# KiCad board beyblock20.kicad_pcb
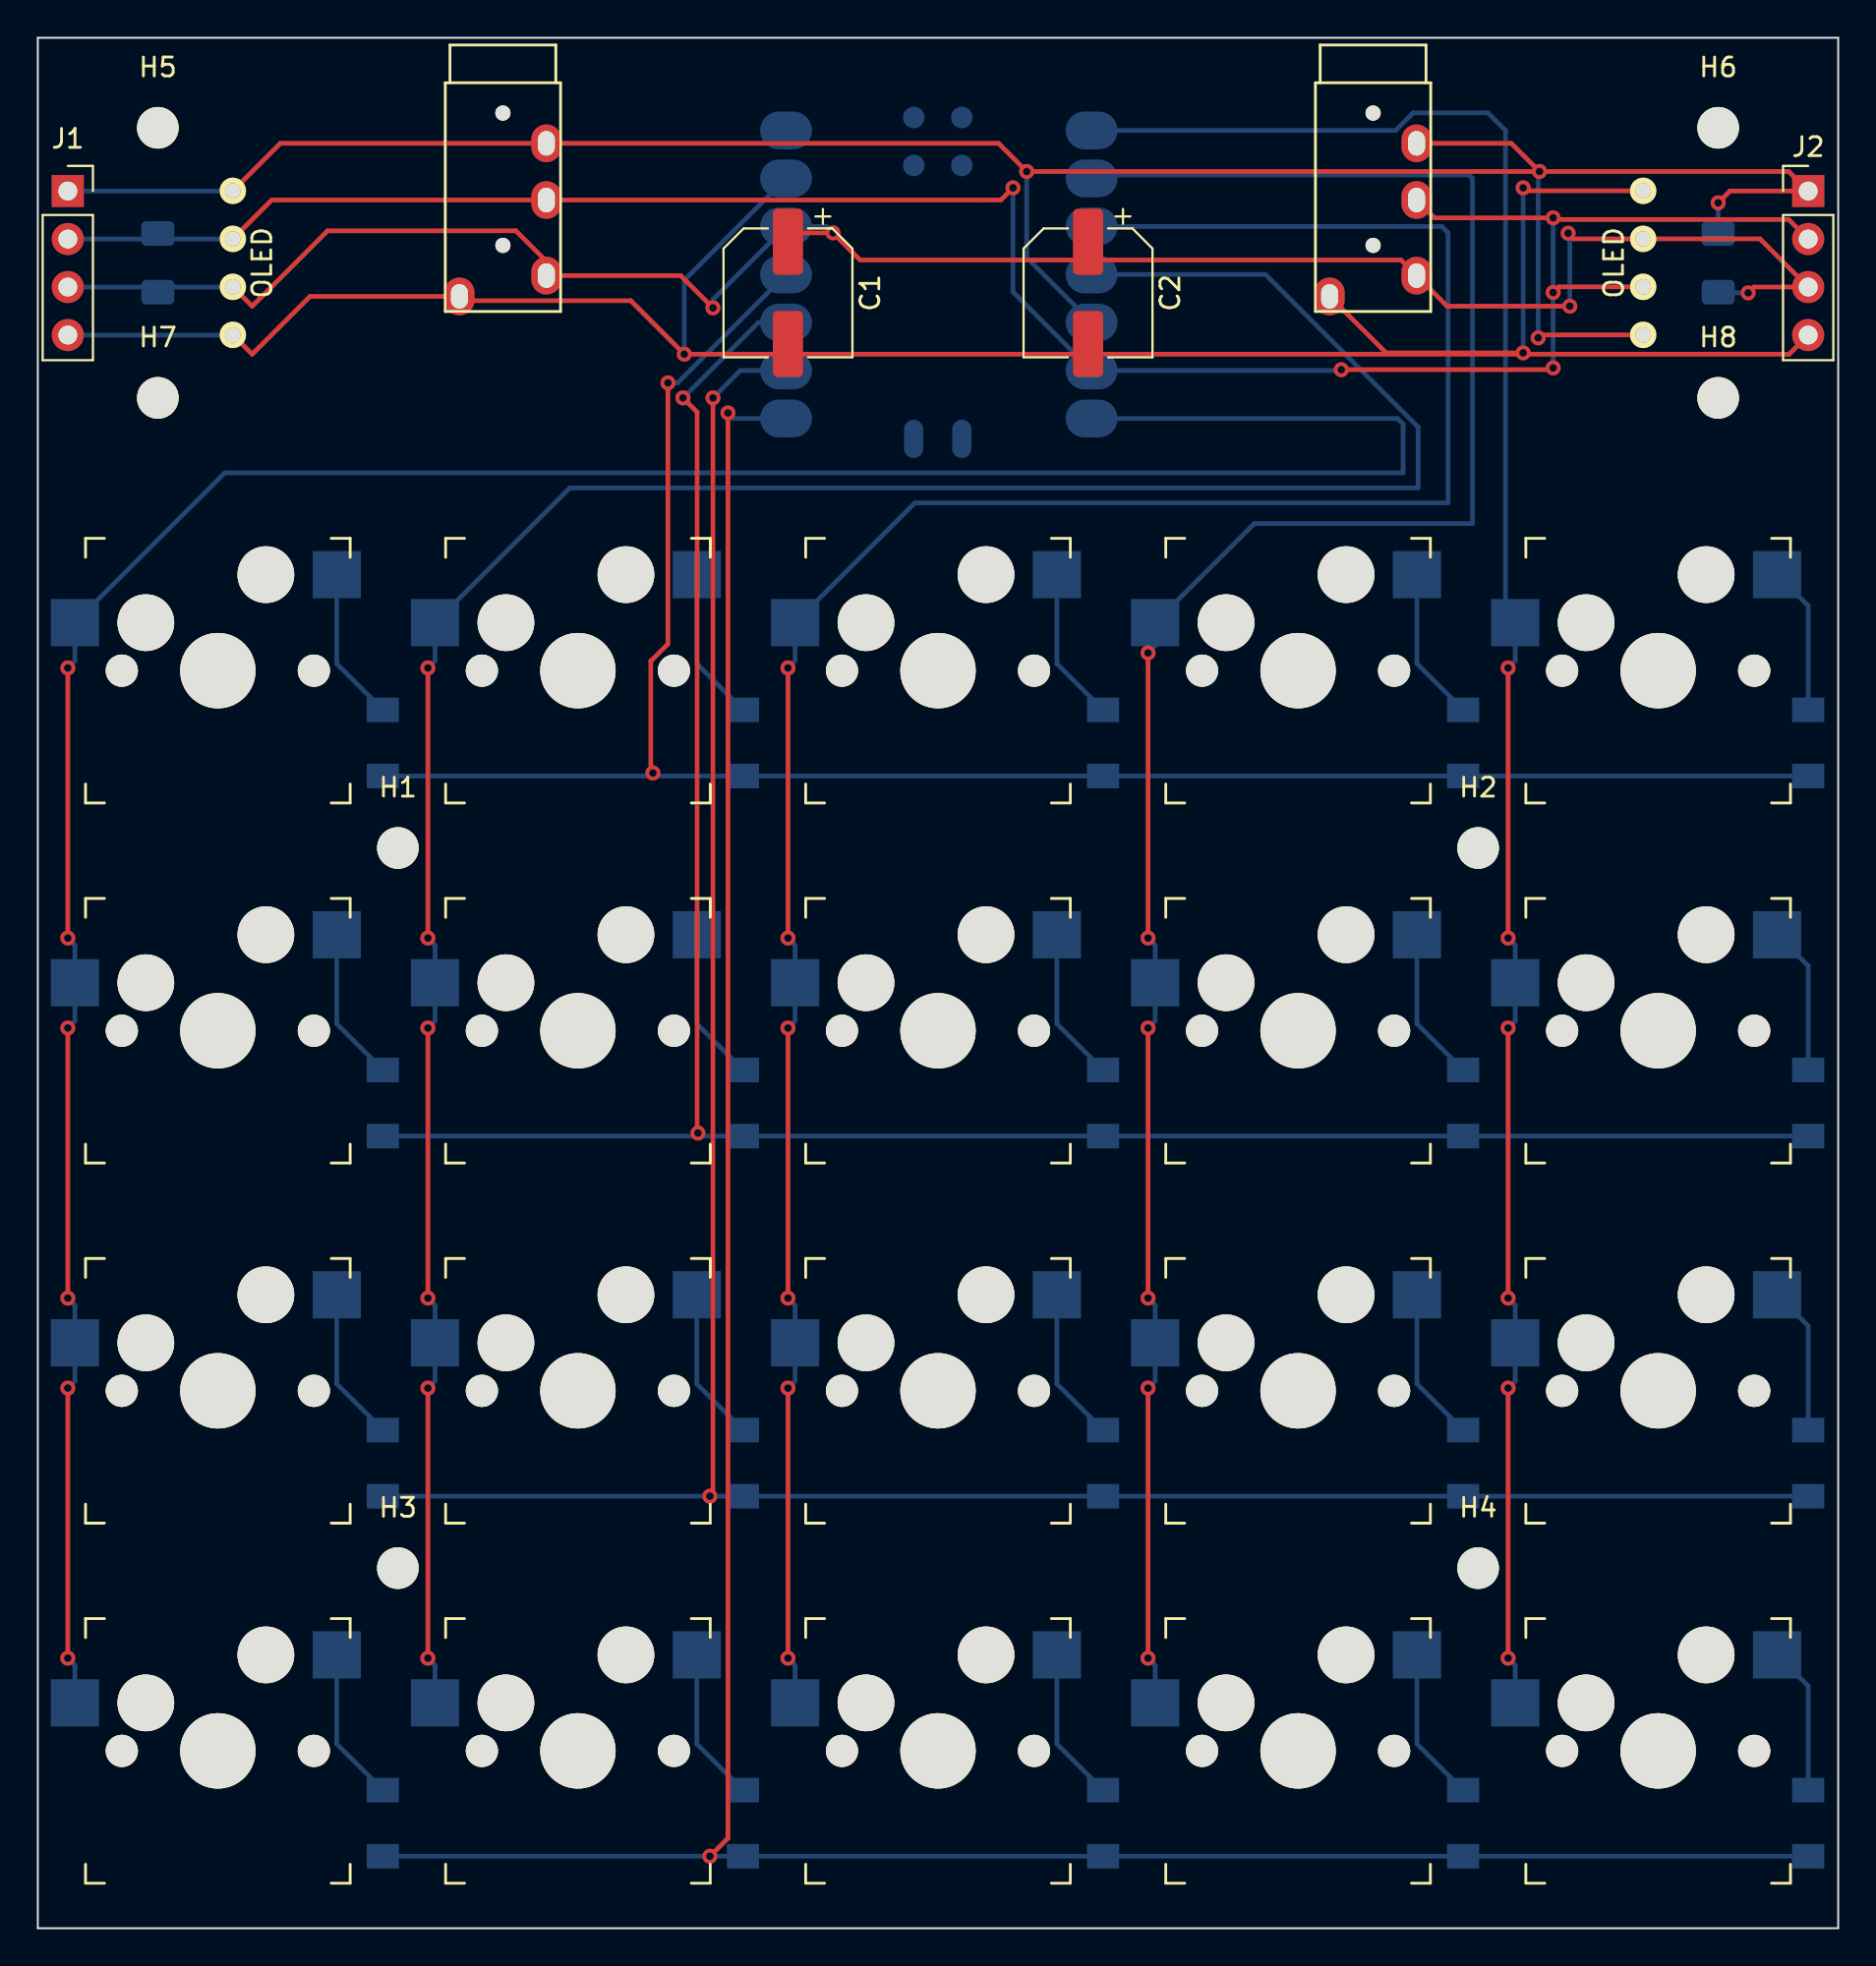
[diagram p0: board, top side]
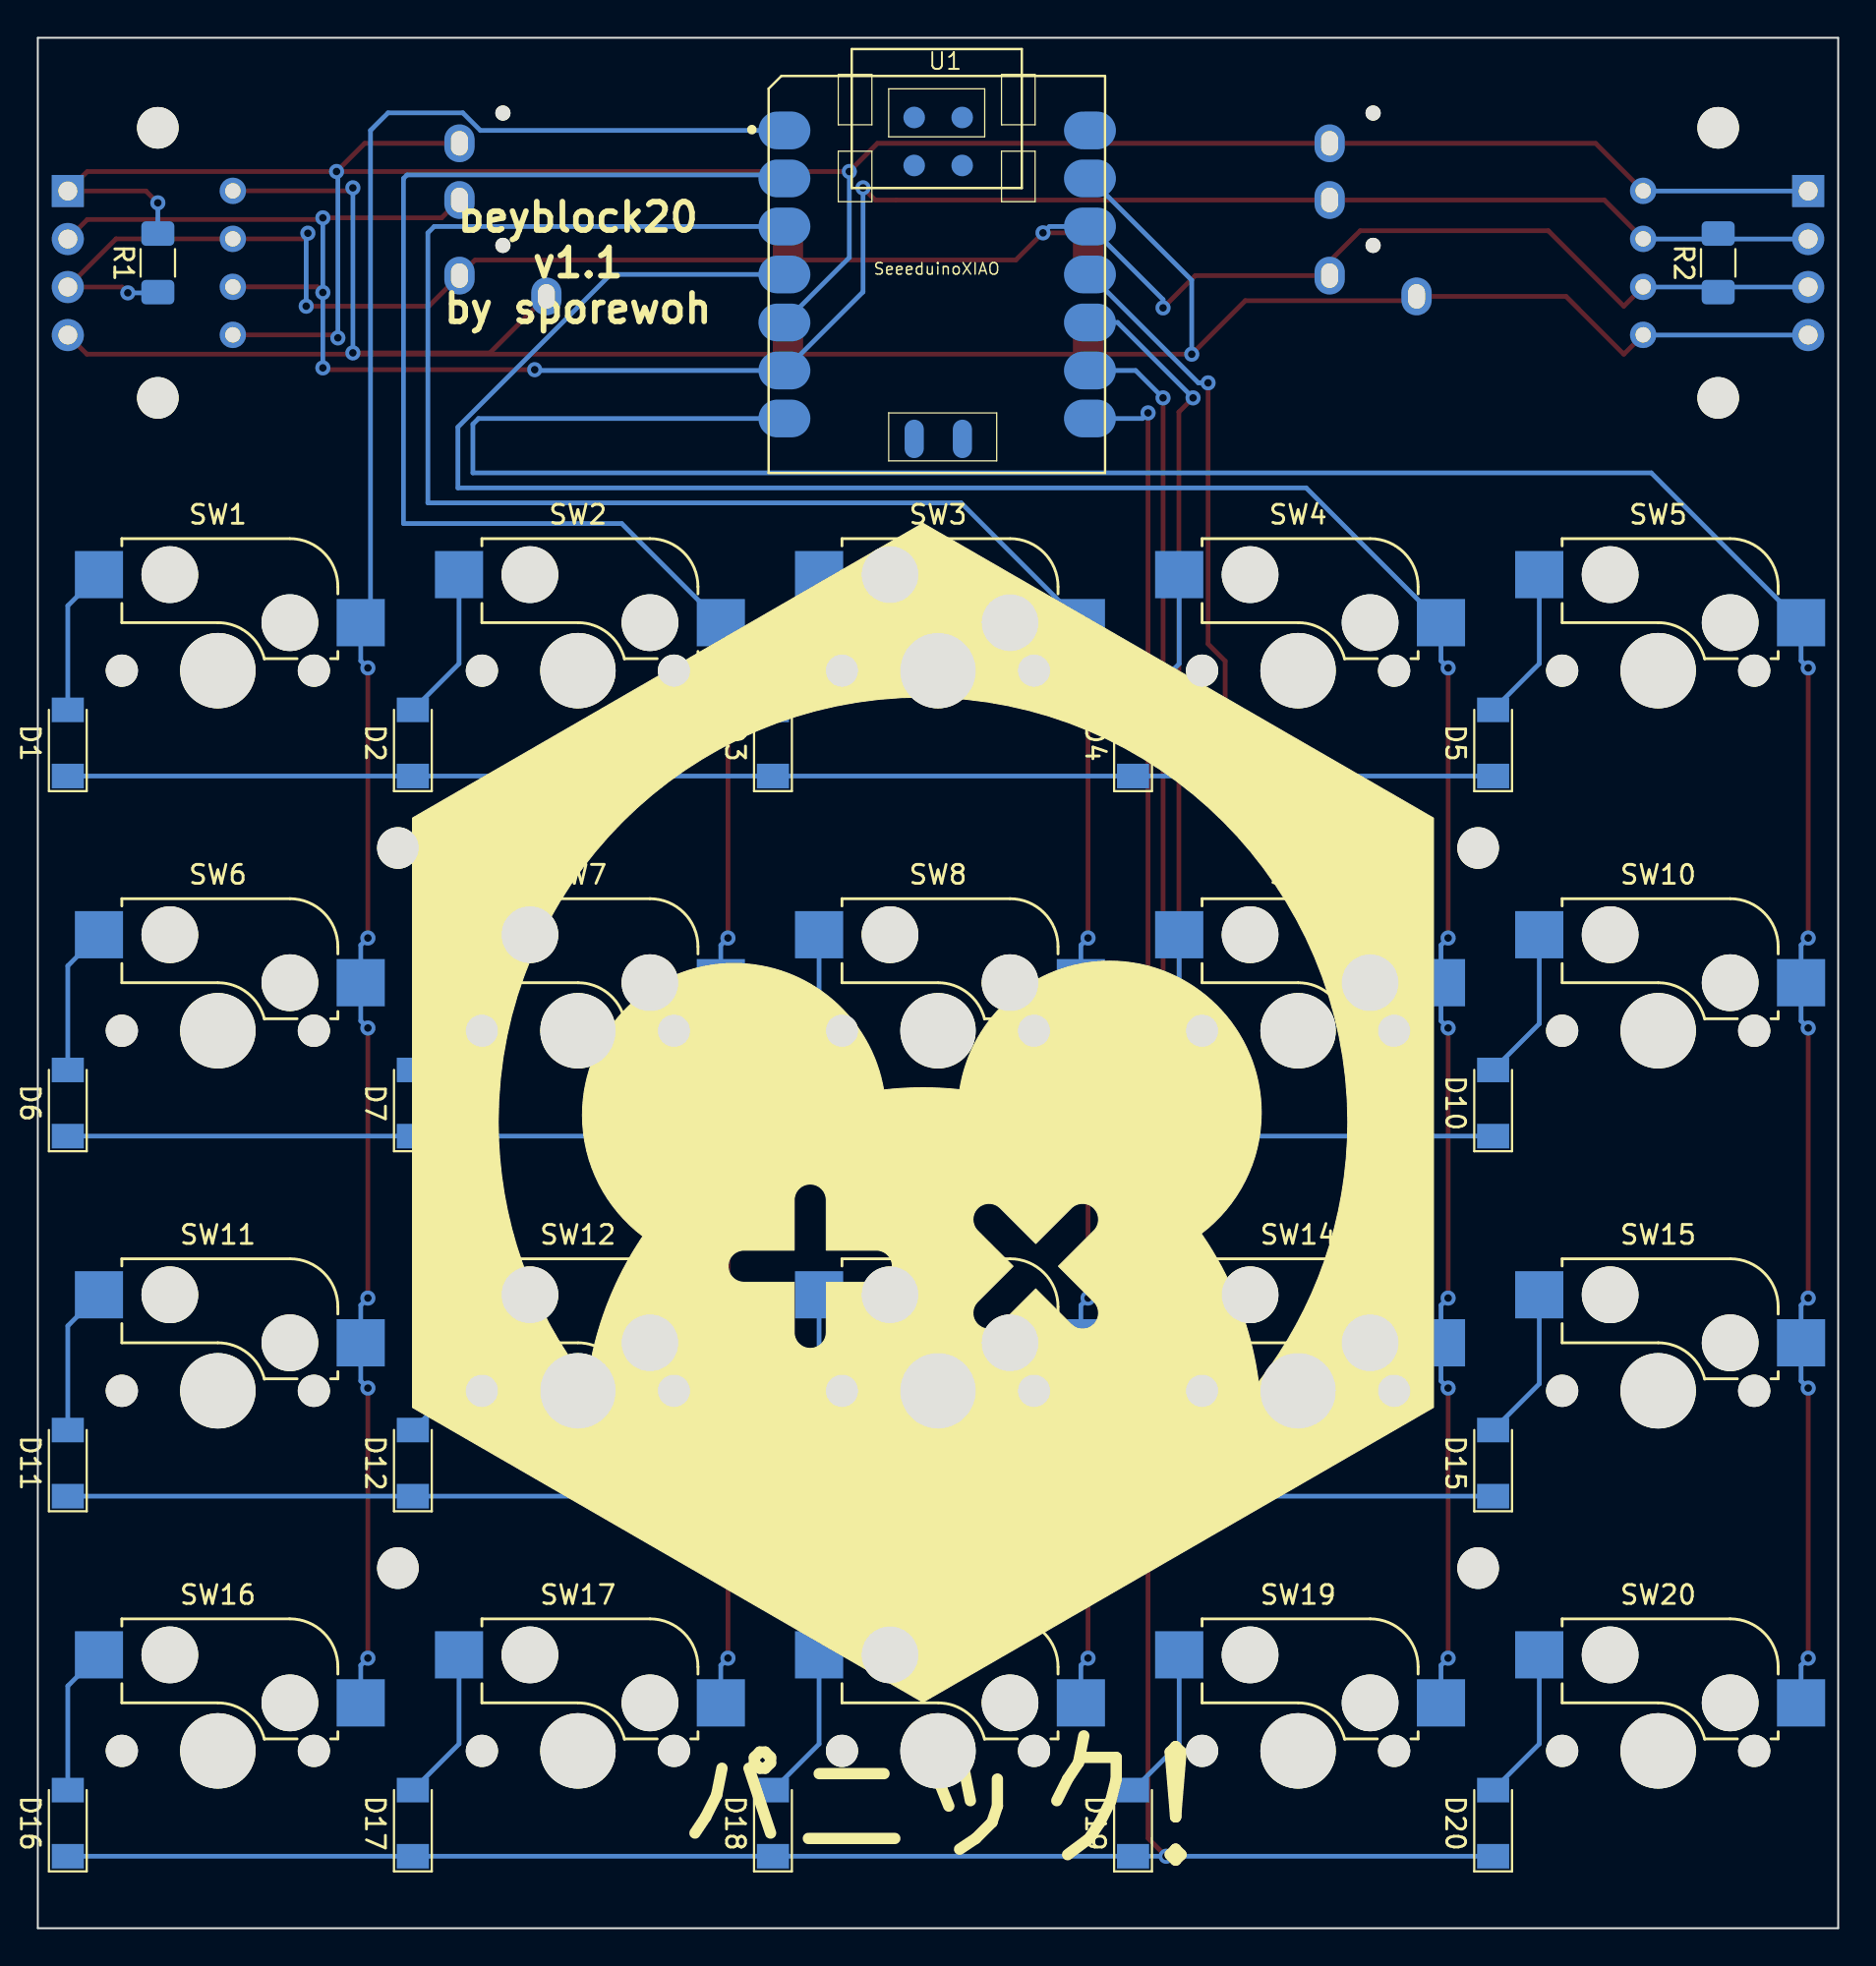
[diagram p1: board, bottom side, seen from below]

Outline 95.25 x 100.01 mm; copper layers: Top, Bottom. Coordinates in mm from the lower left corner of the outline.
Outline path: 0,100.01 0,0 95.25,0 95.25,100.01 0,100.01

## Placement (name value [footprint] x y rotation side)
C1  C_Polarized_US  [CP_Elec_6.3x7.7]  39.69 86.52 270 top
C2  C_Polarized_US  [CP_Elec_6.3x7.7]  55.56 86.52 270 top
D1  LL4148  [D_MiniMELF]  93.66 62.71 90 bottom
D2  LL4148  [D_MiniMELF]  75.41 62.71 90 bottom
D3  LL4148  [D_MiniMELF]  56.36 62.71 90 bottom
D4  LL4148  [D_MiniMELF]  37.31 62.71 90 bottom
D5  LL4148  [D_MiniMELF]  18.26 62.71 90 bottom
D6  LL4148  [D_MiniMELF]  93.66 43.66 90 bottom
D7  LL4148  [D_MiniMELF]  75.41 43.66 90 bottom
D8  LL4148  [D_MiniMELF]  56.36 43.66 90 bottom
D9  LL4148  [D_MiniMELF]  37.31 43.66 90 bottom
D10  LL4148  [D_MiniMELF]  18.26 43.66 90 bottom
D11  LL4148  [D_MiniMELF]  93.66 24.61 90 bottom
D12  LL4148  [D_MiniMELF]  75.41 24.61 90 bottom
D13  LL4148  [D_MiniMELF]  56.36 24.61 90 bottom
D14  LL4148  [D_MiniMELF]  37.31 24.61 90 bottom
D15  LL4148  [D_MiniMELF]  18.26 24.61 90 bottom
D16  LL4148  [D_MiniMELF]  93.66 5.56 90 bottom
D17  LL4148  [D_MiniMELF]  75.41 5.56 90 bottom
D18  LL4148  [D_MiniMELF]  56.36 5.56 90 bottom
D19  LL4148  [D_MiniMELF]  37.31 5.56 90 bottom
D20  LL4148  [D_MiniMELF]  18.26 5.56 90 bottom
H1  MountingHole  [MountingHole_2.2mm_M2]  19.05 57.15 0 top
H2  MountingHole  [MountingHole_2.2mm_M2]  76.2 57.15 0 top
H3  MountingHole  [MountingHole_2.2mm_M2]  19.05 19.05 0 top
H4  MountingHole  [MountingHole_2.2mm_M2]  76.2 19.05 0 top
H5  MountingHole  [MountingHole_2.2mm_M2]  6.35 95.25 0 top
H6  MountingHole  [MountingHole_2.2mm_M2]  88.9 95.25 0 top
H7  MountingHole  [MountingHole_2.2mm_M2]  6.35 80.96 0 top
H8  MountingHole  [MountingHole_2.2mm_M2]  88.9 80.96 0 top
J1  Conn_01x04_Female  [PinSocket_1x04_P2.54mm_Vertical]  1.59 91.91 0 top
J2  Conn_01x04_Male  [PinHeader_1x04_P2.54mm_Vertical]  93.66 91.91 0 top
OL1  OLED  [OLED_v2]  84.93 88.11 90 top
OL2  OLED  [OLED_v2]  10.32 88.11 270 top
R1  R  [R_1206_3216Metric_Pad1.30x1.75mm_HandSolder]  88.9 88.11 90 bottom
R2  R  [R_1206_3216Metric_Pad1.30x1.75mm_HandSolder]  6.35 88.11 90 bottom
SW1  SW_SPST  [Kailh_socket_MX]  85.72 66.53 0 top
SW2  SW_SPST  [Kailh_socket_MX]  66.68 66.53 0 top
SW3  SW_SPST  [Kailh_socket_MX]  47.62 66.53 0 top
SW4  SW_SPST  [Kailh_socket_MX]  28.58 66.53 0 top
SW5  SW_SPST  [Kailh_socket_MX]  9.53 66.53 0 top
SW6  SW_SPST  [Kailh_socket_MX]  85.72 47.48 0 top
SW7  SW_SPST  [Kailh_socket_MX]  66.68 47.48 0 top
SW8  SW_SPST  [Kailh_socket_MX]  47.62 47.48 0 top
SW9  SW_SPST  [Kailh_socket_MX]  28.58 47.48 0 top
SW10  SW_SPST  [Kailh_socket_MX]  9.53 47.48 0 top
SW11  SW_SPST  [Kailh_socket_MX]  85.72 28.43 0 top
SW12  SW_SPST  [Kailh_socket_MX]  66.68 28.43 0 top
SW13  SW_SPST  [Kailh_socket_MX]  47.62 28.43 0 top
SW14  SW_SPST  [Kailh_socket_MX]  28.58 28.43 0 top
SW15  SW_SPST  [Kailh_socket_MX]  9.53 28.43 0 top
SW16  SW_SPST  [Kailh_socket_MX]  85.72 9.38 0 top
SW17  SW_SPST  [Kailh_socket_MX]  66.68 9.38 0 top
SW18  SW_SPST  [Kailh_socket_MX]  47.62 9.38 0 top
SW19  SW_SPST  [Kailh_socket_MX]  28.58 9.38 0 top
SW20  SW_SPST  [Kailh_socket_MX]  9.53 9.38 0 top
U1  SeeeduinoXIAO  [Seeeduino XIAO-MOUDLE14P-2.54-21X17.8MM]  56.58 76.99 180 bottom
U2  TRRS  [TRRS-PJ-320A]  24.61 97.63 0 top
U3  TRRS  [TRRS-PJ-320A]  70.64 97.63 0 top

## Footprints (pads in the part's own frame, mm; a bottom-side part is the same pattern mirrored in y, then rotated)
CP_Elec_6.3x7.7
  rrect 3.5x1.6 smd: 1(-2.7,0) 2(2.7,0)
D_MiniMELF
  rect 1.3x1.7 smd: 1(-1.75,0) 2(1.75,0)
Kailh_socket_MX
  round 1.702 hole 1.702 unplated: (-5.08,0) (5.08,0)
  round 3 hole 3 unplated: (-3.81,2.54) (2.54,5.08)
  round 3.988 hole 3.988 unplated: (0,0)
  rect 2.55x2.5 smd far side: 1(6.29,5.08) 2(-7.56,2.54)
MountingHole_2.2mm_M2
  round 2.2 hole 2.2 unplated: (0,0)
OLED_v2
  round 1.397 hole 0.813: 1(-3.81,0) 2(-1.27,0) 3(1.27,0) 4(3.81,0)
PinHeader_1x04_P2.54mm_Vertical
  rect 1.7x1.7 hole 1: 1(0,0)
  oval 1.7x1.7 hole 1: 2(0,-2.54) 3(0,-5.08) 4(0,-7.62)
PinSocket_1x04_P2.54mm_Vertical
  rect 1.7x1.7 hole 1: 1(0,0)
  oval 1.7x1.7 hole 1: 2(0,-2.54) 3(0,-5.08) 4(0,-7.62)
R_1206_3216Metric_Pad1.30x1.75mm_HandSolder
  rrect 1.3x1.75 smd: 1(-1.55,0) 2(1.55,0)
Seeeduino XIAO-MOUDLE14P-2.54-21X17.8MM
  oval 2.748x1.999 smd: 1(0.833,18.118) 2(0.833,15.578) 3(0.833,13.038) 4(0.833,10.498) 5(0.833,7.958) 6(0.833,5.418) 7(0.833,2.878) 8(16.998,2.878) 9(16.998,5.418) 10(16.998,7.958) 11(16.998,10.498) 12(16.998,13.038) 13(16.998,15.578) 14(16.998,18.118)
  oval 1.016x2.032 smd: 15(7.7,1.8) 16(10.25,1.8)
  round 1.143 smd: 17(7.699,18.804) 18(10.239,18.804) 19(7.699,16.264) 20(10.239,16.264)
TRRS-PJ-320A
  round 0.8 hole 0.8 unplated: (0,-1.6) (0,-8.6)
  oval 1.6x2 hole 0.9x1.3: 1(-2.3,-11.3) 2(2.3,-10.2) 3(2.3,-6.2) 4(2.3,-3.2)

## Nets
3v3: C1.1 C2.1 J1.3 J2.3 OL1.3 OL2.3 R1.1 R2.1 U1.12 U2.2 U3.2
gnd: C1.2 C2.2 J1.4 J2.4 OL1.4 OL2.4 U1.13 U2.1 U3.1
col1: SW1.2 SW6.2 SW11.2 SW16.2 U1.1
col2: SW2.2 SW7.2 SW12.2 SW17.2 U1.2
col3: SW3.2 SW8.2 SW13.2 SW18.2 U1.3
col4: SW4.2 SW9.2 SW14.2 SW19.2 U1.4
col5: SW5.2 SW10.2 SW15.2 SW20.2 U1.7
row1: D1.1 D2.1 D3.1 D4.1 D5.1 U1.11
row2: D6.1 D7.1 D8.1 D9.1 D10.1 U1.10
row3: D11.1 D12.1 D13.1 D14.1 D15.1 U1.9
row4: D16.1 D17.1 D18.1 D19.1 D20.1 U1.8
scl: J1.2 J2.2 OL1.2 OL2.2 R2.2 U1.6 U2.3 U3.3
sda: J1.1 J2.1 OL1.1 OL2.1 R1.2 U1.5 U2.4 U3.4
Net-(D1-Pad2): D1.2 SW1.1
Net-(D2-Pad2): D2.2 SW2.1
Net-(D3-Pad2): D3.2 SW3.1
Net-(D4-Pad2): D4.2 SW4.1
Net-(D5-Pad2): D5.2 SW5.1
Net-(D6-Pad2): D6.2 SW6.1
Net-(D7-Pad2): D7.2 SW7.1
Net-(D8-Pad2): D8.2 SW8.1
Net-(D9-Pad2): D9.2 SW9.1
Net-(D10-Pad2): D10.2 SW10.1
Net-(D11-Pad2): D11.2 SW11.1
Net-(D12-Pad2): D12.2 SW12.1
Net-(D13-Pad2): D13.2 SW13.1
Net-(D14-Pad2): D14.2 SW14.1
Net-(D15-Pad2): D15.2 SW15.1
Net-(D16-Pad2): D16.2 SW16.1
Net-(D17-Pad2): D17.2 SW17.1
Net-(D18-Pad2): D18.2 SW18.1
Net-(D19-Pad2): D19.2 SW19.1
Net-(D20-Pad2): D20.2 SW20.1

Pads without a net: U1 14 15 16 17 18 19 20

## Via types
v1: diameter 0.8, hole 0.4, Top to Bottom, 55 vias

## Routing (per net, layer and track width the routed paths; a pad name or vN(x,y) marks a point on that pad's centre or on a via; arc(x,y) is an arc through that point)
3v3: length 112.8
  Top w0.25: OL2.3 11.34,85.81 15.33,89.81 25.29,89.81 26.91,88.19 U2.2 34.01,87.43 v1(35.72,85.72) ; v1(80.96,89.67) 81.26,89.38 OL1.3 91.11,89.38 J2.3 90.79,86.83 v1(90.49,86.52) ; 39.69,89.06 40.33,89.69 v1(42.07,89.69) 43.51,88.26 72.12,88.26 U3.2 74.56,85.81 v1(81.05,85.81)
  Bottom w0.25: J1.3 10.31,86.83 OL2.3 ; v1(80.96,89.67) 81.05,89.59 v1(81.05,85.81) ; v1(90.49,86.52) 88.94,86.52 R1.1 ; v1(35.72,85.72) 35.72,86.16 U1.12 41.73,90.03 v1(42.07,89.69)
gnd: length 133.7
  Top w0.25: 78.51,83.27 v1(34.2,83.27) 31.37,86.11 22.53,86.11 U2.1 14.4,86.33 11.34,83.27 OL2.4 ; 78.51,83.27 92.65,83.27 J2.4 ; 78.51,83.27 v1(78.58,83.34) 71.33,83.34 U3.1 ; OL1.4 78.74,91.92 v1(78.58,92.07)
  Bottom w0.25: v1(34.2,83.27) 34.2,87.19 U1.13 ; OL2.4 10.31,84.29 J1.4 ; v1(78.58,83.34) v1(78.58,92.07)
col1: length 107
  Top w0.25: v1(77.79,33.34) v1(77.79,47.62) ; v1(77.79,52.39) v1(77.79,66.67) ; v1(77.79,14.29) v1(77.79,28.58)
  Bottom w0.25: v1(77.79,66.67) 78.16,67.05 SW1.2 77.65,69.59 77.65,95.11 76.72,96.04 72.77,96.04 71.83,95.11 U1.1 ; v1(77.79,14.29) 78.16,13.91 SW16.2 ; v1(77.79,47.62) 78.16,48 SW6.2 78.16,52.01 v1(77.79,52.39) ; v1(77.79,33.34) 78.16,32.96 SW11.2 78.16,28.95 v1(77.79,28.58)
col2: length 115.6
  Top w0.25: v1(58.74,67.47) v1(58.74,52.39) ; v1(58.74,28.58) v1(58.74,14.29) ; v1(58.74,47.62) v1(58.74,33.34)
  Bottom w0.25: v1(58.74,14.29) 59.11,13.91 SW17.2 ; v1(58.74,67.47) 59.11,67.85 SW2.2 64.36,74.32 75.9,74.32 75.9,92.57 75.72,92.76 55.94,92.76 U1.2 ; v1(58.74,47.62) 59.11,48 SW7.2 59.11,52.01 v1(58.74,52.39) ; v1(58.74,28.58) 59.11,28.95 SW12.2 59.11,32.96 v1(58.74,33.34)
col3: length 128.5
  Top w0.25: v1(39.69,52.39) v1(39.69,66.67) ; v1(39.69,14.29) v1(39.69,28.58) ; v1(39.69,33.34) v1(39.69,47.62)
  Bottom w0.25: v1(39.69,52.39) 40.06,52.01 SW8.2 40.06,48 v1(39.69,47.62) ; v1(39.69,28.58) 40.06,28.95 SW13.2 40.06,32.96 v1(39.69,33.34) ; SW18.2 40.06,13.91 v1(39.69,14.29) ; U1.3 74.27,90.03 74.61,89.69 74.61,75.41 46.4,75.41 SW3.2 40.06,67.05 v1(39.69,66.67)
col4: length 136.9
  Top w0.25: v1(20.64,52.39) v1(20.64,66.67) ; v1(20.64,33.34) v1(20.64,47.62) ; v1(20.64,14.29) v1(20.64,28.58)
  Bottom w0.25: v1(20.64,47.62) 21.02,48 SW9.2 21.02,52.01 v1(20.64,52.39) ; v1(20.64,28.58) 21.02,28.95 SW14.2 21.02,32.96 v1(20.64,33.34) ; v1(20.64,14.29) 21.02,13.91 SW19.2 ; v1(20.64,66.67) 21.02,67.05 SW4.2 28.14,76.2 73.03,76.2 73.03,79.42 64.95,87.49 U1.4
col5: length 150.8
  Top w0.25: v1(1.59,52.39) v1(1.59,66.67) ; v1(1.59,14.29) v1(1.59,28.58) ; v1(1.59,33.34) v1(1.59,47.62)
  Bottom w0.25: U1.7 71.93,79.87 72.23,79.57 72.23,76.99 9.89,76.99 SW5.2 1.97,67.05 v1(1.59,66.67) ; v1(1.59,28.58) 1.97,28.95 SW15.2 1.97,32.96 v1(1.59,33.34) ; v1(1.59,47.62) 1.97,48 SW10.2 1.97,52.01 v1(1.59,52.39) ; v1(1.59,14.29) 1.97,13.91 SW20.2
row1: length 105.1
  Top w0.25: v1(33.34,81.76) 33.34,67.95 32.43,67.04 32.43,61.23 v1(32.54,61.12)
  Bottom w0.25: D5.1 D4.1 D3.1 D2.1 D1.1 ; U1.11 33.85,81.76 v1(33.34,81.76)
row2: length 121.7
  Top w0.25: v1(34.92,42.07) 34.88,42.11 34.88,80.21 v1(34.13,80.96)
  Bottom w0.25: D6.1 D7.1 D8.1 D9.1 D10.1 ; v1(34.13,80.96) 38.12,84.95 U1.10
row3: length 138
  Top w0.25: v1(35.56,22.86) 35.72,23.02 v1(35.72,80.96)
  Bottom w0.25: U1.9 37.17,82.41 v1(35.72,80.96) ; D11.1 D12.1 D13.1 D14.1 v1(35.56,22.86) D15.1
row4: length 155.4
  Top w0.25: v1(36.51,80.17) 36.51,4.76 v1(35.56,3.81)
  Bottom w0.25: D20.1 v1(35.56,3.81) D19.1 D18.1 D17.1 D16.1 ; v1(36.51,80.17) 36.81,79.87 U1.8
scl: length 121.4
  Top w0.25: J2.2 92.63,90.4 80.26,90.4 v1(80.17,90.49) 73.89,90.49 U3.3 ; v1(80.17,86.54) 80.47,86.84 OL1.2 ; OL2.2 12.37,91.43 U2.3 50.95,91.43 v1(51.59,92.07) ; v1(68.96,82.45) 80.07,82.45 v1(80.17,82.55)
  Bottom w0.25: v1(80.17,90.49) v1(80.17,86.54) v1(80.17,82.55) ; v1(51.59,92.07) 51.59,86.57 U1.6 68.92,82.41 v1(68.96,82.45) ; J1.2 10.31,89.37 OL2.2
sda: length 131.8
  Top w0.25: v1(79.45,92.94) 77.95,94.43 U3.4 ; v1(88.9,91.28) 89.53,91.91 J2.1 92.63,92.94 v1(52.32,92.94) 50.83,94.43 U2.4 12.83,94.43 OL2.1 ; OL1.1 79.53,84.3 v1(79.38,84.14)
  Bottom w0.25: U1.5 52.32,88.39 v1(52.32,92.94) ; J1.1 10.31,91.91 OL2.1 ; v1(79.45,92.94) 79.38,92.87 v1(79.38,84.14) ; v1(88.9,91.28) R1.2
Net-(D1-Pad2): length 7.8
  Bottom w0.25: SW1.1 93.66,69.96 D1.2
Net-(D2-Pad2): length 8.2
  Bottom w0.25: D2.2 72.97,66.9 SW2.1
Net-(D3-Pad2): length 8.2
  Bottom w0.25: SW3.1 53.92,66.9 D3.2
Net-(D4-Pad2): length 8.2
  Bottom w0.25: D4.2 34.86,66.9 SW4.1
Net-(D5-Pad2): length 8.2
  Bottom w0.25: D5.2 15.81,66.9 SW5.1
Net-(D6-Pad2): length 7.8
  Bottom w0.25: SW6.1 93.66,50.91 D6.2
Net-(D7-Pad2): length 8.2
  Bottom w0.25: SW7.1 72.97,47.85 D7.2
Net-(D8-Pad2): length 8.2
  Bottom w0.25: D8.2 53.92,47.85 SW8.1
Net-(D9-Pad2): length 8.2
  Bottom w0.25: SW9.1 34.86,47.85 D9.2
Net-(D10-Pad2): length 8.2
  Bottom w0.25: SW10.1 15.81,47.85 D10.2
Net-(D11-Pad2): length 7.8
  Bottom w0.25: D11.2 93.66,31.86 SW11.1
Net-(D12-Pad2): length 8.2
  Bottom w0.25: D12.2 72.97,28.8 SW12.1
Net-(D13-Pad2): length 8.2
  Bottom w0.25: SW13.1 53.92,28.8 D13.2
Net-(D14-Pad2): length 8.2
  Bottom w0.25: SW14.1 34.86,28.8 D14.2
Net-(D15-Pad2): length 8.2
  Bottom w0.25: SW15.1 15.81,28.8 D15.2
Net-(D16-Pad2): length 7.8
  Bottom w0.25: SW16.1 93.66,12.81 D16.2
Net-(D17-Pad2): length 8.2
  Bottom w0.25: D17.2 72.97,9.75 SW17.1
Net-(D18-Pad2): length 8.2
  Bottom w0.25: SW18.1 53.92,9.75 D18.2
Net-(D19-Pad2): length 8.2
  Bottom w0.25: SW19.1 34.86,9.75 D19.2
Net-(D20-Pad2): length 8.2
  Bottom w0.25: D20.2 15.81,9.75 SW20.1

## Text on the board
B.Silkscreen: beyblock20 / v1.1 / by sporewoh | パニック!
